# Altium PCB POT 10x8.PcbDoc (part 4 of 4)
Units mm, origin at the board's own origin, x right, y up, seen from the top; angles counter-clockwise.
Board outline 130 x 71 mm, 4 copper layers (Top Layer, Mid Layer 1, Mid Layer 2, Bottom Layer), stack 0.97 mm thick; 325 components, 354 nets, 1535 pads, 954 vias.
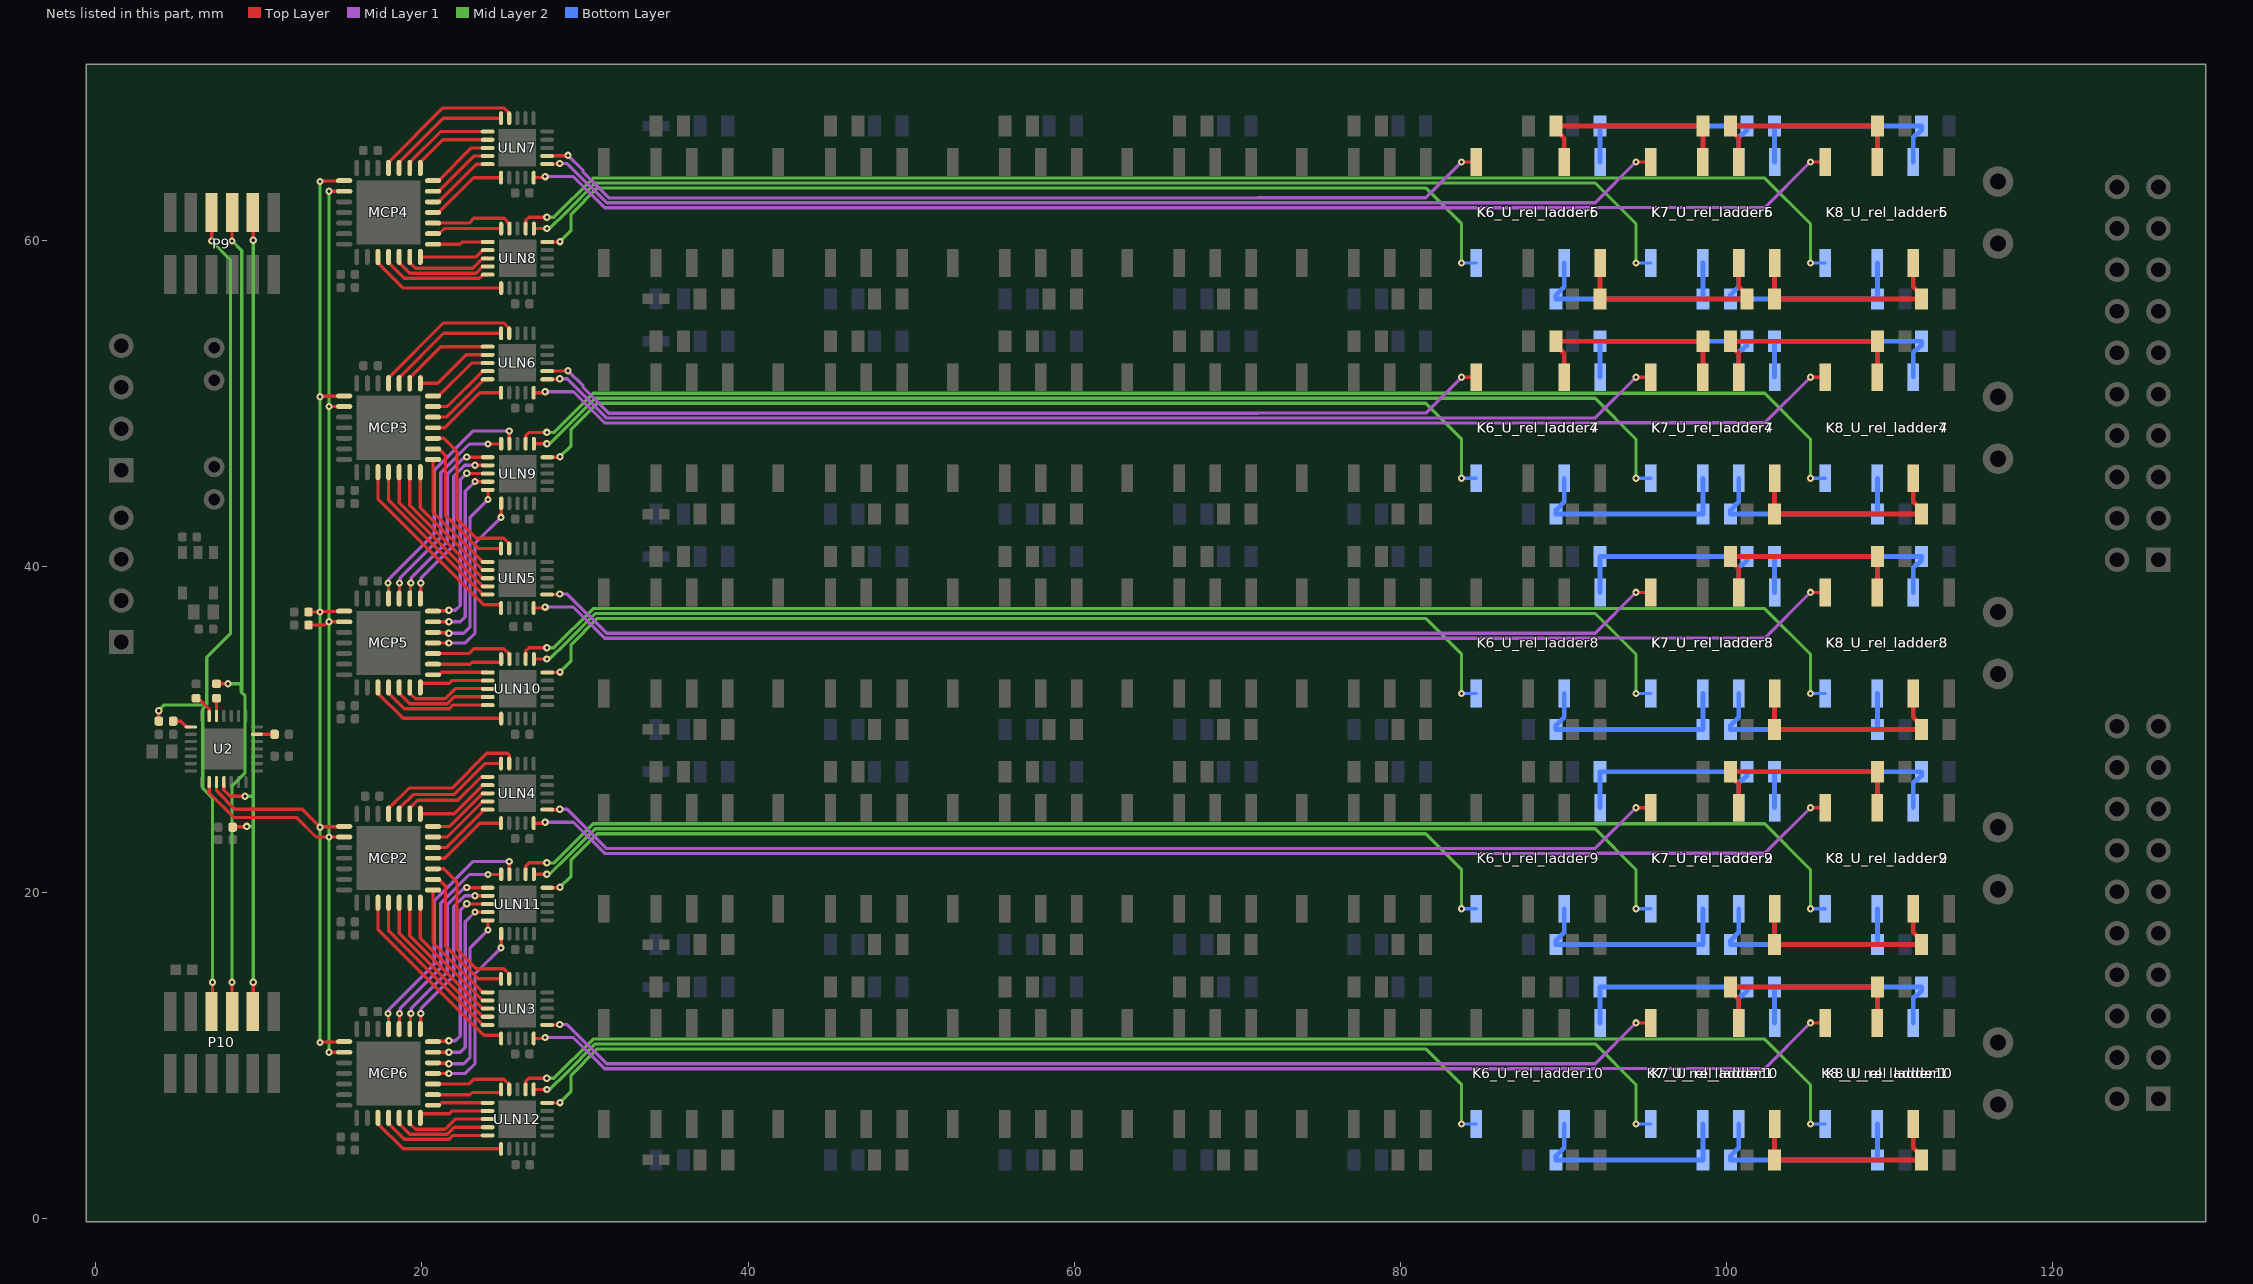
[diagram p6: the nets of this part, all layers, seen from the top]

## Via types
v1: diameter 0.45, hole 0.2, Top Layer to Bottom Layer, 851 vias
v2: diameter 0.5, hole 0.2, Top Layer to Bottom Layer, 85 vias
v3: diameter 0.8, hole 0.4, Top Layer to Bottom Layer, 10 vias
v4: diameter 0.66, hole 0.33, Top Layer to Bottom Layer, 4 vias
v5: diameter 5.5, hole 3, Top Layer to Bottom Layer, 4 vias

## Nets (pads, with @x,y where several pads share a name; then routed paths per layer and width w, separated by ;. In a path a pad name is that pad's centre, name@x,y a point inside that pad or via, vN(x,y) a via of type N, cw(c..) or ccw(c..) an arc to the next point about the centre after c; other vN are vias at no path point) (continued)
NetK6_U_rel_ladder4_6: K6_U_rel_ladder4.6 K7_U_rel_ladder4.7 R3_U_rel_ladder4.2 R5_U_rel_ladder4.1 | length 13.6
  Top Layer w0.3: K6_U_rel_ladder4.6@90.05,51.6 90.05,53.05 89.55,53.55 R5_U_rel_ladder4.1@89.55,53.8 R3_U_rel_ladder4.2@98.55,53.8 K7_U_rel_ladder4.7@98.55,51.6
NetK6_U_rel_ladder4_8: K6_U_rel_ladder4.8 ULN6.12 | length 59
  Top Layer w0.2: ULN6.12@27.675,51.975 28.925,51.975 v1(28.95,52) ; v1(83.75,51.6) K6_U_rel_ladder4.8@84.65,51.6
  Mid Layer 1 w0.2: v1(28.95,52) 29.876,51.074 29.876,50.968 31.45,49.394 71.27,49.394 71.277,49.4 81.55,49.4 v1(83.75,51.6)
NetK6_U_rel_ladder5_4: K6_U_rel_ladder5.4 K7_U_rel_ladder5.3 R4_U_rel_ladder5.2 R6_U_rel_ladder5.1 | length 13.6
  Top Layer w0.3: K6_U_rel_ladder5.4@92.25,58.6 R6_U_rel_ladder5.1@92.25,56.4 R4_U_rel_ladder5.2@101.25,56.4 101.25,56.65 100.75,57.15 K7_U_rel_ladder5.3@100.75,58.6
NetK6_U_rel_ladder5_6: K6_U_rel_ladder5.6 K7_U_rel_ladder5.7 R3_U_rel_ladder5.2 R5_U_rel_ladder5.1 | length 13.6
  Top Layer w0.3: K6_U_rel_ladder5.6@90.05,64.8 90.05,66.25 89.55,66.75 R5_U_rel_ladder5.1@89.55,67 R3_U_rel_ladder5.2@98.55,67 K7_U_rel_ladder5.7@98.55,64.8
NetK6_U_rel_ladder5_8: K6_U_rel_ladder5.8 ULN7.12 | length 59
  Top Layer w0.2: ULN7.12@27.675,65.175 28.925,65.175 v1(28.95,65.2) ; v1(83.75,64.8) K6_U_rel_ladder5.8@84.65,64.8
  Mid Layer 1 w0.2: v1(28.95,65.2) 29.876,64.274 29.876,64.168 31.45,62.594 71.27,62.594 71.277,62.6 81.55,62.6 v1(83.75,64.8)
NetK6_U_rel_ladder6_4: K6_U_rel_ladder6.4 K7_U_rel_ladder6.3 R4_U_rel_ladder6.2 R6_U_rel_ladder6.1 | length 13.7
  Bottom Layer w0.3: K6_U_rel_ladder6.4@92.25,64.8 R6_U_rel_ladder6.1@92.25,67 R4_U_rel_ladder6.2@101.25,67 101.25,66.75 101,66.5 100.926,66.5 100.75,66.324 K7_U_rel_ladder6.3@100.75,64.8
NetK6_U_rel_ladder6_6: K6_U_rel_ladder6.6 K7_U_rel_ladder6.7 R3_U_rel_ladder6.2 R5_U_rel_ladder6.1 | length 13.6
  Bottom Layer w0.3: K6_U_rel_ladder6.6@90.05,58.6 90.05,57.15 89.55,56.65 R5_U_rel_ladder6.1@89.55,56.4 R3_U_rel_ladder6.2@98.55,56.4 K7_U_rel_ladder6.7@98.55,58.6
NetK6_U_rel_ladder6_8: K6_U_rel_ladder6.8 ULN8.15 | length 62.2
  Top Layer w0.2: ULN8.15@27.684,59.888 v1@28.434,59.888
  Mid Layer 2 w0.2: v1(28.459,59.913) 29.144,60.598 29.144,61.6 30.75,63.206 81.544,63.206 83.75,61 v1(83.75,58.6)
  Bottom Layer w0.2: v1(83.75,58.6) K6_U_rel_ladder6.8@84.65,58.6
NetK6_U_rel_ladder7_4: K6_U_rel_ladder7.4 K7_U_rel_ladder7.3 R4_U_rel_ladder7.2 R6_U_rel_ladder7.1 | length 13.7
  Bottom Layer w0.3: K6_U_rel_ladder7.4@92.25,51.6 R6_U_rel_ladder7.1@92.25,53.8 R4_U_rel_ladder7.2@101.25,53.8 101.25,53.55 101,53.3 100.926,53.3 100.75,53.124 K7_U_rel_ladder7.3@100.75,51.6
NetK6_U_rel_ladder7_6: K6_U_rel_ladder7.6 K7_U_rel_ladder7.7 R3_U_rel_ladder7.2 R5_U_rel_ladder7.1 | length 13.6
  Bottom Layer w0.3: K6_U_rel_ladder7.6@90.05,45.4 90.05,43.95 89.55,43.45 R5_U_rel_ladder7.1@89.55,43.2 R3_U_rel_ladder7.2@98.55,43.2 K7_U_rel_ladder7.7@98.55,45.4
NetK6_U_rel_ladder7_8: K6_U_rel_ladder7.8 ULN9.15 | length 62.2
  Top Layer w0.2: ULN9.15@27.684,46.688 v1@28.434,46.688
  Mid Layer 2 w0.2: v1(28.459,46.713) 29.144,47.398 29.144,48.4 30.75,50.006 81.544,50.006 83.75,47.8 v1(83.75,45.4)
  Bottom Layer w0.2: v1(83.75,45.4) K6_U_rel_ladder7.8@84.65,45.4
NetK6_U_rel_ladder8_4: K6_U_rel_ladder8.4 K7_U_rel_ladder8.3 R4_U_rel_ladder8.2 R6_U_rel_ladder8.1 | length 13.7
  Bottom Layer w0.3: K6_U_rel_ladder8.4@92.25,38.4 R6_U_rel_ladder8.1@92.25,40.6 R4_U_rel_ladder8.2@101.25,40.6 101.25,40.35 101,40.1 100.926,40.1 100.75,39.924 K7_U_rel_ladder8.3@100.75,38.4
NetK6_U_rel_ladder8_6: K6_U_rel_ladder8.6 K7_U_rel_ladder8.7 R3_U_rel_ladder8.2 R5_U_rel_ladder8.1 | length 13.6
  Bottom Layer w0.3: K6_U_rel_ladder8.6@90.05,32.2 90.05,30.75 89.55,30.25 R5_U_rel_ladder8.1@89.55,30 R3_U_rel_ladder8.2@98.55,30 K7_U_rel_ladder8.7@98.55,32.2
NetK6_U_rel_ladder8_8: K6_U_rel_ladder8.8 ULN10.15 | length 62.2
  Top Layer w0.2: ULN10.15@27.684,33.488 v1@28.434,33.488
  Mid Layer 2 w0.2: v1(28.459,33.513) 29.144,34.198 29.144,35.2 30.75,36.806 81.544,36.806 83.75,34.6 v1(83.75,32.2)
  Bottom Layer w0.2: v1(83.75,32.2) K6_U_rel_ladder8.8@84.65,32.2
NetK6_U_rel_ladder9_4: K6_U_rel_ladder9.4 K7_U_rel_ladder9.3 R4_U_rel_ladder9.2 R6_U_rel_ladder9.1 | length 13.7
  Bottom Layer w0.3: K6_U_rel_ladder9.4@92.25,25.2 R6_U_rel_ladder9.1@92.25,27.4 R4_U_rel_ladder9.2@101.25,27.4 101.25,27.15 101,26.9 100.926,26.9 100.75,26.724 K7_U_rel_ladder9.3@100.75,25.2
NetK6_U_rel_ladder9_6: K6_U_rel_ladder9.6 K7_U_rel_ladder9.7 R3_U_rel_ladder9.2 R5_U_rel_ladder9.1 | length 13.6
  Bottom Layer w0.3: K6_U_rel_ladder9.6@90.05,19 90.05,17.55 89.55,17.05 R5_U_rel_ladder9.1@89.55,16.8 R3_U_rel_ladder9.2@98.55,16.8 K7_U_rel_ladder9.7@98.55,19
NetK6_U_rel_ladder9_8: K6_U_rel_ladder9.8 ULN11.15 | length 62.2
  Top Layer w0.2: ULN11.15@27.684,20.288 v1@28.434,20.288
  Mid Layer 2 w0.2: v1(28.459,20.313) 29.144,20.998 29.144,22 30.75,23.606 81.544,23.606 83.75,21.4 v1(83.75,19)
  Bottom Layer w0.2: v1(83.75,19) K6_U_rel_ladder9.8@84.65,19
NetK6_U_rel_ladder10_4: K6_U_rel_ladder10.4 K7_U_rel_ladder10.3 R4_U_rel_ladder10.2 R6_U_rel_ladder10.1 | length 13.7
  Bottom Layer w0.3: K6_U_rel_ladder10.4@92.25,12 R6_U_rel_ladder10.1@92.25,14.2 R4_U_rel_ladder10.2@101.25,14.2 101.25,13.95 101,13.7 100.926,13.7 100.75,13.524 K7_U_rel_ladder10.3@100.75,12
NetK6_U_rel_ladder10_6: K6_U_rel_ladder10.6 K7_U_rel_ladder10.7 R3_U_rel_ladder10.2 R5_U_rel_ladder10.1 | length 13.6
  Bottom Layer w0.3: K6_U_rel_ladder10.6@90.05,5.8 90.05,4.35 89.55,3.85 R5_U_rel_ladder10.1@89.55,3.6 R3_U_rel_ladder10.2@98.55,3.6 K7_U_rel_ladder10.7@98.55,5.8
NetK6_U_rel_ladder10_8: K6_U_rel_ladder10.8 ULN12.15 | length 62.2
  Top Layer w0.2: ULN12.15@27.684,7.088 v1@28.434,7.088
  Mid Layer 2 w0.2: v1(28.459,7.113) 29.144,7.798 29.144,8.8 30.75,10.406 81.544,10.406 83.75,8.2 v1(83.75,5.8)
  Bottom Layer w0.2: v1(83.75,5.8) K6_U_rel_ladder10.8@84.65,5.8
NetK7_U_rel_ladder1_4: K7_U_rel_ladder1.4 K8_U_rel_ladder1.3 R2_U_rel_ladder1.2 R4_U_rel_ladder1.1 | length 13.6
  Top Layer w0.3: K7_U_rel_ladder1.4@102.95,5.8 R4_U_rel_ladder1.1@102.95,3.6 R2_U_rel_ladder1.2@111.95,3.6 111.95,3.85 111.45,4.35 K8_U_rel_ladder1.3@111.45,5.8
NetK7_U_rel_ladder1_6: K7_U_rel_ladder1.6 K8_U_rel_ladder1.7 R1_U_rel_ladder1.2 R3_U_rel_ladder1.1 | length 13.6
  Top Layer w0.3: K7_U_rel_ladder1.6@100.75,12 100.75,13.45 100.25,13.95 R3_U_rel_ladder1.1@100.25,14.2 R1_U_rel_ladder1.2@109.25,14.2 K8_U_rel_ladder1.7@109.25,12
NetK7_U_rel_ladder1_8: K7_U_rel_ladder1.8 ULN3.11 | length 69.7
  Top Layer w0.2: ULN3.11@27.675,11.875 28.425,11.875 v1(28.45,11.9) ; v1(94.45,12) K7_U_rel_ladder1.8@95.35,12
  Mid Layer 1 w0.2: v1(28.45,11.9) 28.917,11.9 31.325,9.492 81.669,9.492 81.677,9.5 91.95,9.5 v1(94.45,12)
NetK7_U_rel_ladder2_4: K7_U_rel_ladder2.4 K8_U_rel_ladder2.3 R2_U_rel_ladder2.2 R4_U_rel_ladder2.1 | length 13.6
  Top Layer w0.3: K7_U_rel_ladder2.4@102.95,19 R4_U_rel_ladder2.1@102.95,16.8 R2_U_rel_ladder2.2@111.95,16.8 111.95,17.05 111.45,17.55 K8_U_rel_ladder2.3@111.45,19
NetK7_U_rel_ladder2_6: K7_U_rel_ladder2.6 K8_U_rel_ladder2.7 R1_U_rel_ladder2.2 R3_U_rel_ladder2.1 | length 13.6
  Top Layer w0.3: K7_U_rel_ladder2.6@100.75,25.2 100.75,26.65 100.25,27.15 R3_U_rel_ladder2.1@100.25,27.4 R1_U_rel_ladder2.2@109.25,27.4 K8_U_rel_ladder2.7@109.25,25.2
NetK7_U_rel_ladder2_8: K7_U_rel_ladder2.8 ULN4.11 | length 69.7
  Top Layer w0.2: ULN4.11@27.675,25.075 28.425,25.075 v1(28.45,25.1) ; v1(94.45,25.2) K7_U_rel_ladder2.8@95.35,25.2
  Mid Layer 1 w0.2: v1(28.45,25.1) 28.917,25.1 31.325,22.692 81.669,22.692 81.677,22.7 91.95,22.7 v1(94.45,25.2)
NetK7_U_rel_ladder3_4: K7_U_rel_ladder3.4 K8_U_rel_ladder3.3 R2_U_rel_ladder3.2 R4_U_rel_ladder3.1 | length 13.6
  Top Layer w0.3: K7_U_rel_ladder3.4@102.95,32.2 R4_U_rel_ladder3.1@102.95,30 R2_U_rel_ladder3.2@111.95,30 111.95,30.25 111.45,30.75 K8_U_rel_ladder3.3@111.45,32.2
NetK7_U_rel_ladder3_6: K7_U_rel_ladder3.6 K8_U_rel_ladder3.7 R1_U_rel_ladder3.2 R3_U_rel_ladder3.1 | length 13.6
  Top Layer w0.3: K7_U_rel_ladder3.6@100.75,38.4 100.75,39.85 100.25,40.35 R3_U_rel_ladder3.1@100.25,40.6 R1_U_rel_ladder3.2@109.25,40.6 K8_U_rel_ladder3.7@109.25,38.4
NetK7_U_rel_ladder3_8: K7_U_rel_ladder3.8 ULN5.11 | length 69.7
  Top Layer w0.2: ULN5.11@27.675,38.275 28.425,38.275 v1(28.45,38.3) ; v1(94.45,38.4) K7_U_rel_ladder3.8@95.35,38.4
  Mid Layer 1 w0.2: v1(28.45,38.3) 28.917,38.3 31.325,35.892 81.669,35.892 81.677,35.9 91.95,35.9 v1(94.45,38.4)
NetK7_U_rel_ladder4_4: K7_U_rel_ladder4.4 K8_U_rel_ladder4.3 R2_U_rel_ladder4.2 R4_U_rel_ladder4.1 | length 13.6
  Top Layer w0.3: K7_U_rel_ladder4.4@102.95,45.4 R4_U_rel_ladder4.1@102.95,43.2 R2_U_rel_ladder4.2@111.95,43.2 111.95,43.45 111.45,43.95 K8_U_rel_ladder4.3@111.45,45.4
NetK7_U_rel_ladder4_6: K7_U_rel_ladder4.6 K8_U_rel_ladder4.7 R1_U_rel_ladder4.2 R3_U_rel_ladder4.1 | length 13.6
  Top Layer w0.3: K7_U_rel_ladder4.6@100.75,51.6 100.75,53.05 100.25,53.55 R3_U_rel_ladder4.1@100.25,53.8 R1_U_rel_ladder4.2@109.25,53.8 K8_U_rel_ladder4.7@109.25,51.6
NetK7_U_rel_ladder4_8: K7_U_rel_ladder4.8 ULN6.11 | length 69.7
  Top Layer w0.2: ULN6.11@27.675,51.475 28.425,51.475 v1(28.45,51.5) ; v1(94.45,51.6) K7_U_rel_ladder4.8@95.35,51.6
  Mid Layer 1 w0.2: v1(28.45,51.5) 28.917,51.5 31.325,49.092 81.669,49.092 81.677,49.1 91.95,49.1 v1(94.45,51.6)
NetK7_U_rel_ladder5_4: K7_U_rel_ladder5.4 K8_U_rel_ladder5.3 R2_U_rel_ladder5.2 R4_U_rel_ladder5.1 | length 13.6
  Top Layer w0.3: K7_U_rel_ladder5.4@102.95,58.6 R4_U_rel_ladder5.1@102.95,56.4 R2_U_rel_ladder5.2@111.95,56.4 111.95,56.65 111.45,57.15 K8_U_rel_ladder5.3@111.45,58.6
NetK7_U_rel_ladder5_6: K7_U_rel_ladder5.6 K8_U_rel_ladder5.7 R1_U_rel_ladder5.2 R3_U_rel_ladder5.1 | length 13.6
  Top Layer w0.3: K7_U_rel_ladder5.6@100.75,64.8 100.75,66.25 100.25,66.75 R3_U_rel_ladder5.1@100.25,67 R1_U_rel_ladder5.2@109.25,67 K8_U_rel_ladder5.7@109.25,64.8
NetK7_U_rel_ladder5_8: K7_U_rel_ladder5.8 ULN7.11 | length 69.7
  Top Layer w0.2: ULN7.11@27.675,64.675 28.425,64.675 v1(28.45,64.7) ; v1(94.45,64.8) K7_U_rel_ladder5.8@95.35,64.8
  Mid Layer 1 w0.2: v1(28.45,64.7) 28.917,64.7 31.325,62.292 81.669,62.292 81.677,62.3 91.95,62.3 v1(94.45,64.8)
NetK7_U_rel_ladder6_4: K7_U_rel_ladder6.4 K8_U_rel_ladder6.3 R2_U_rel_ladder6.2 R4_U_rel_ladder6.1 | length 13.7
  Bottom Layer w0.3: K7_U_rel_ladder6.4@102.95,64.8 R4_U_rel_ladder6.1@102.95,67 R2_U_rel_ladder6.2@111.95,67 111.95,66.75 111.7,66.5 111.626,66.5 111.45,66.324 K8_U_rel_ladder6.3@111.45,64.8
NetK7_U_rel_ladder6_6: K7_U_rel_ladder6.6 K8_U_rel_ladder6.7 R1_U_rel_ladder6.2 R3_U_rel_ladder6.1 | length 13.6
  Bottom Layer w0.3: K7_U_rel_ladder6.6@100.75,58.6 100.75,57.15 100.25,56.65 R3_U_rel_ladder6.1@100.25,56.4 R1_U_rel_ladder6.2@109.25,56.4 K8_U_rel_ladder6.7@109.25,58.6
NetK7_U_rel_ladder6_8: K7_U_rel_ladder6.8 ULN8.16 | length 73.1
  Top Layer w0.2: ULN8.16@26.859,60.713 v1(27.659,60.713)
  Mid Layer 2 w0.2: v1(27.659,60.713) 27.707,60.761 27.878,60.761 28.842,61.725 30.625,63.508 91.942,63.508 94.45,61 v1(94.45,58.6)
  Bottom Layer w0.2: v1(94.45,58.6) K7_U_rel_ladder6.8@95.35,58.6
NetK7_U_rel_ladder7_4: K7_U_rel_ladder7.4 K8_U_rel_ladder7.3 R2_U_rel_ladder7.2 R4_U_rel_ladder7.1 | length 13.7
  Bottom Layer w0.3: K7_U_rel_ladder7.4@102.95,51.6 R4_U_rel_ladder7.1@102.95,53.8 R2_U_rel_ladder7.2@111.95,53.8 111.95,53.55 111.7,53.3 111.626,53.3 111.45,53.124 K8_U_rel_ladder7.3@111.45,51.6
NetK7_U_rel_ladder7_6: K7_U_rel_ladder7.6 K8_U_rel_ladder7.7 R1_U_rel_ladder7.2 R3_U_rel_ladder7.1 | length 13.6
  Bottom Layer w0.3: K7_U_rel_ladder7.6@100.75,45.4 100.75,43.95 100.25,43.45 R3_U_rel_ladder7.1@100.25,43.2 R1_U_rel_ladder7.2@109.25,43.2 K8_U_rel_ladder7.7@109.25,45.4
NetK7_U_rel_ladder7_8: K7_U_rel_ladder7.8 ULN9.16 | length 73.1
  Top Layer w0.2: ULN9.16@26.859,47.513 v1(27.659,47.513)
  Mid Layer 2 w0.2: v1(27.659,47.513) 27.707,47.561 27.878,47.561 28.842,48.525 30.625,50.308 91.942,50.308 94.45,47.8 v1(94.45,45.4)
  Bottom Layer w0.2: v1(94.45,45.4) K7_U_rel_ladder7.8@95.35,45.4
NetK7_U_rel_ladder8_4: K7_U_rel_ladder8.4 K8_U_rel_ladder8.3 R2_U_rel_ladder8.2 R4_U_rel_ladder8.1 | length 13.7
  Bottom Layer w0.3: K7_U_rel_ladder8.4@102.95,38.4 R4_U_rel_ladder8.1@102.95,40.6 R2_U_rel_ladder8.2@111.95,40.6 111.95,40.35 111.7,40.1 111.626,40.1 111.45,39.924 K8_U_rel_ladder8.3@111.45,38.4
NetK7_U_rel_ladder8_6: K7_U_rel_ladder8.6 K8_U_rel_ladder8.7 R1_U_rel_ladder8.2 R3_U_rel_ladder8.1 | length 13.6
  Bottom Layer w0.3: K7_U_rel_ladder8.6@100.75,32.2 100.75,30.75 100.25,30.25 R3_U_rel_ladder8.1@100.25,30 R1_U_rel_ladder8.2@109.25,30 K8_U_rel_ladder8.7@109.25,32.2
NetK7_U_rel_ladder8_8: K7_U_rel_ladder8.8 ULN10.16 | length 73.1
  Top Layer w0.2: ULN10.16@26.859,34.313 v1(27.659,34.313)
  Mid Layer 2 w0.2: v1(27.659,34.313) 27.707,34.361 27.878,34.361 28.842,35.325 30.625,37.108 91.942,37.108 94.45,34.6 v1(94.45,32.2)
  Bottom Layer w0.2: v1(94.45,32.2) K7_U_rel_ladder8.8@95.35,32.2
NetK7_U_rel_ladder9_4: K7_U_rel_ladder9.4 K8_U_rel_ladder9.3 R2_U_rel_ladder9.2 R4_U_rel_ladder9.1 | length 13.7
  Bottom Layer w0.3: K7_U_rel_ladder9.4@102.95,25.2 R4_U_rel_ladder9.1@102.95,27.4 R2_U_rel_ladder9.2@111.95,27.4 111.95,27.15 111.7,26.9 111.626,26.9 111.45,26.724 K8_U_rel_ladder9.3@111.45,25.2
NetK7_U_rel_ladder9_6: K7_U_rel_ladder9.6 K8_U_rel_ladder9.7 R1_U_rel_ladder9.2 R3_U_rel_ladder9.1 | length 13.6
  Bottom Layer w0.3: K7_U_rel_ladder9.6@100.75,19 100.75,17.55 100.25,17.05 R3_U_rel_ladder9.1@100.25,16.8 R1_U_rel_ladder9.2@109.25,16.8 K8_U_rel_ladder9.7@109.25,19
NetK7_U_rel_ladder9_8: K7_U_rel_ladder9.8 ULN11.16 | length 73.1
  Top Layer w0.2: ULN11.16@26.859,21.113 v1(27.659,21.113)
  Mid Layer 2 w0.2: v1(27.659,21.113) 27.707,21.161 27.878,21.161 28.842,22.125 30.625,23.908 91.942,23.908 94.45,21.4 v1(94.45,19)
  Bottom Layer w0.2: v1(94.45,19) K7_U_rel_ladder9.8@95.35,19
NetK7_U_rel_ladder10_4: K7_U_rel_ladder10.4 K8_U_rel_ladder10.3 R2_U_rel_ladder10.2 R4_U_rel_ladder10.1 | length 13.7
  Bottom Layer w0.3: K7_U_rel_ladder10.4@102.95,12 R4_U_rel_ladder10.1@102.95,14.2 R2_U_rel_ladder10.2@111.95,14.2 111.95,13.95 111.7,13.7 111.626,13.7 111.45,13.524 K8_U_rel_ladder10.3@111.45,12
NetK7_U_rel_ladder10_6: K7_U_rel_ladder10.6 K8_U_rel_ladder10.7 R1_U_rel_ladder10.2 R3_U_rel_ladder10.1 | length 13.6
  Bottom Layer w0.3: K7_U_rel_ladder10.6@100.75,5.8 100.75,4.35 100.25,3.85 R3_U_rel_ladder10.1@100.25,3.6 R1_U_rel_ladder10.2@109.25,3.6 K8_U_rel_ladder10.7@109.25,5.8
NetK7_U_rel_ladder10_8: K7_U_rel_ladder10.8 ULN12.16 | length 73.1
  Top Layer w0.2: ULN12.16@26.859,7.913 v1(27.659,7.913)
  Mid Layer 2 w0.2: v1(27.659,7.913) 27.707,7.961 27.878,7.961 28.842,8.925 30.625,10.708 91.942,10.708 94.45,8.2 v1(94.45,5.8)
  Bottom Layer w0.2: v1(94.45,5.8) K7_U_rel_ladder10.8@95.35,5.8
NetK8_U_rel_ladder1_8: K8_U_rel_ladder1.8 ULN3.10 | length 81.2
  Top Layer w0.2: ULN3.10@26.85,11.05 27.432,11.05 27.482,11.1 v1(27.55,11.1) ; v1(105.15,12) K8_U_rel_ladder1.8@106.05,12
  Mid Layer 1 w0.2: v1(27.55,11.1) 29.291,11.1 31.2,9.19 92.067,9.19 92.077,9.2 102.35,9.2 v1(105.15,12)
NetK8_U_rel_ladder2_8: K8_U_rel_ladder2.8 ULN4.10 | length 81.2
  Top Layer w0.2: ULN4.10@26.85,24.25 27.432,24.25 27.482,24.3 v1(27.55,24.3) ; v1(105.15,25.2) K8_U_rel_ladder2.8@106.05,25.2
  Mid Layer 1 w0.2: v1(27.55,24.3) 29.291,24.3 31.2,22.39 92.067,22.39 92.077,22.4 102.35,22.4 v1(105.15,25.2)
NetK8_U_rel_ladder3_8: K8_U_rel_ladder3.8 ULN5.10 | length 81.2
  Top Layer w0.2: ULN5.10@26.85,37.45 27.432,37.45 27.482,37.5 v1(27.55,37.5) ; v1(105.15,38.4) K8_U_rel_ladder3.8@106.05,38.4
  Mid Layer 1 w0.2: v1(27.55,37.5) 29.291,37.5 31.2,35.59 92.067,35.59 92.077,35.6 102.35,35.6 v1(105.15,38.4)
NetK8_U_rel_ladder4_8: K8_U_rel_ladder4.8 ULN6.10 | length 81.2
  Top Layer w0.2: ULN6.10@26.85,50.65 27.432,50.65 27.482,50.7 v1(27.55,50.7) ; v1(105.15,51.6) K8_U_rel_ladder4.8@106.05,51.6
  Mid Layer 1 w0.2: v1(27.55,50.7) 29.291,50.7 31.2,48.79 92.067,48.79 92.077,48.8 102.35,48.8 v1(105.15,51.6)
NetK8_U_rel_ladder5_8: K8_U_rel_ladder5.8 ULN7.10 | length 81.2
  Top Layer w0.2: ULN7.10@26.85,63.85 27.432,63.85 27.482,63.9 v1(27.55,63.9) ; v1(105.15,64.8) K8_U_rel_ladder5.8@106.05,64.8
  Mid Layer 1 w0.2: v1(27.55,63.9) 29.291,63.9 31.2,61.99 92.067,61.99 92.077,62 102.35,62 v1(105.15,64.8)
NetK8_U_rel_ladder6_8: K8_U_rel_ladder6.8 ULN8.17 | length 84.8
  Top Layer w0.2: ULN8.17@26.359,60.713 26.363,60.717 26.363,61.21 26.566,61.413 v1(27.659,61.413)
  Mid Layer 2 w0.2: v1(27.659,61.413) 27.672,61.4 28.091,61.4 30.5,63.81 102.34,63.81 105.15,61 v1(105.15,58.6)
  Bottom Layer w0.2: v1(105.15,58.6) K8_U_rel_ladder6.8@106.05,58.6
NetK8_U_rel_ladder7_8: K8_U_rel_ladder7.8 ULN9.17 | length 84.8
  Top Layer w0.2: ULN9.17@26.359,47.513 26.363,47.517 26.363,48.01 26.566,48.213 v1(27.659,48.213)
  Mid Layer 2 w0.2: v1(27.659,48.213) 27.672,48.2 28.091,48.2 30.5,50.61 102.34,50.61 105.15,47.8 v1(105.15,45.4)
  Bottom Layer w0.2: v1(105.15,45.4) K8_U_rel_ladder7.8@106.05,45.4
NetK8_U_rel_ladder8_8: K8_U_rel_ladder8.8 ULN10.17 | length 84.8
  Top Layer w0.2: ULN10.17@26.359,34.313 26.363,34.317 26.363,34.81 26.566,35.013 v1(27.659,35.013)
  Mid Layer 2 w0.2: v1(27.659,35.013) 27.672,35 28.091,35 30.5,37.41 102.34,37.41 105.15,34.6 v1(105.15,32.2)
  Bottom Layer w0.2: v1(105.15,32.2) K8_U_rel_ladder8.8@106.05,32.2
NetK8_U_rel_ladder9_8: K8_U_rel_ladder9.8 ULN11.17 | length 84.8
  Top Layer w0.2: ULN11.17@26.359,21.113 26.363,21.117 26.363,21.61 26.566,21.813 v1(27.659,21.813)
  Mid Layer 2 w0.2: v1(27.659,21.813) 27.672,21.8 28.091,21.8 30.5,24.21 102.34,24.21 105.15,21.4 v1(105.15,19)
  Bottom Layer w0.2: v1(105.15,19) K8_U_rel_ladder9.8@106.05,19
NetK8_U_rel_ladder10_8: K8_U_rel_ladder10.8 ULN12.17 | length 84.8
  Top Layer w0.2: ULN12.17@26.359,7.913 26.363,7.917 26.363,8.41 26.553,8.6 v1(27.65,8.6)
  Mid Layer 2 w0.2: v1(27.65,8.6) 28.091,8.6 30.5,11.01 102.34,11.01 105.15,8.2 v1(105.15,5.8)
  Bottom Layer w0.2: v1(105.15,5.8) K8_U_rel_ladder10.8@106.05,5.8
NetMCP2_1: MCP2.1 ULN4.2 | length 4.9
  Top Layer w0.2: MCP2.1@19.9,24.825 21.973,24.825 23.725,26.577 ULN4.2@24.025,26.577
NetMCP2_2: MCP2.2 ULN4.1 | length 5.9
  Top Layer w0.2: MCP2.2@19.25,24.825 19.25,25.175 19.726,25.651 22.201,25.651 23.618,27.068 24.015,27.068 ULN4.1@24.025,27.077
NetMCP2_3: MCP2.3 ULN4.20 | length 7.7